# Altium PCB TinyHawk_PCB.PcbDoc (part 1 of 6) (continued)
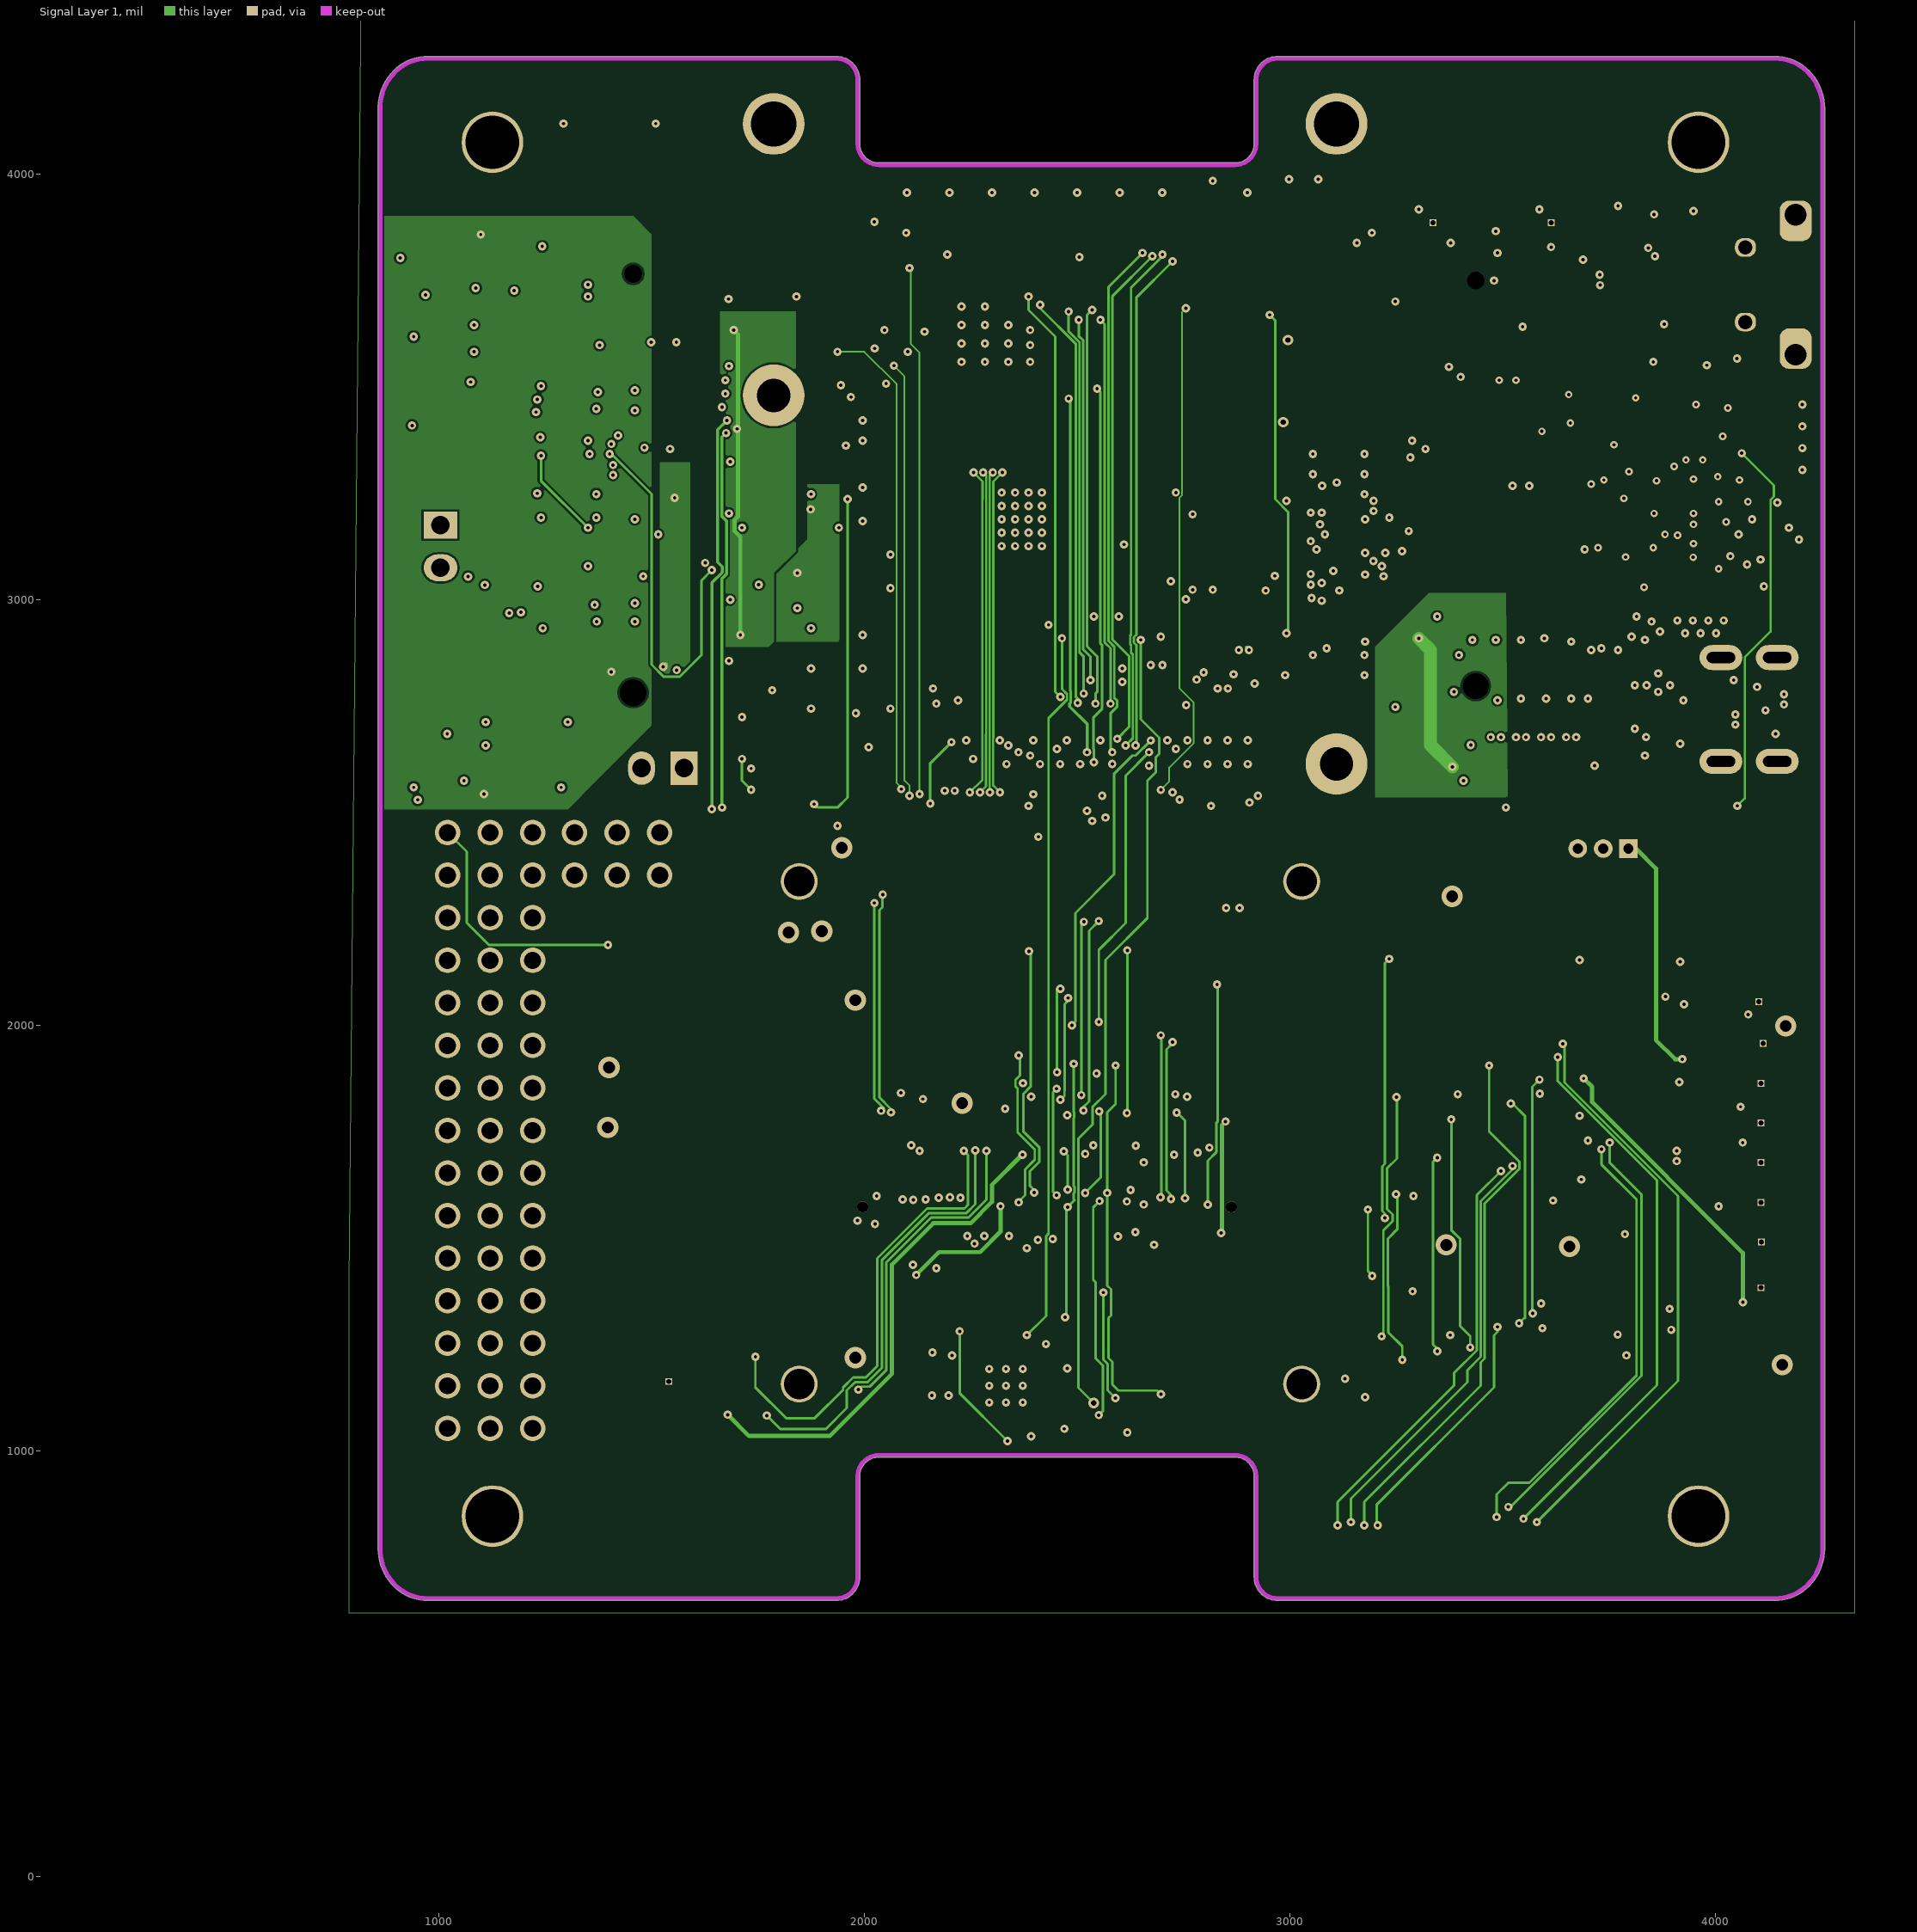
[diagram p4: Signal Layer 1]
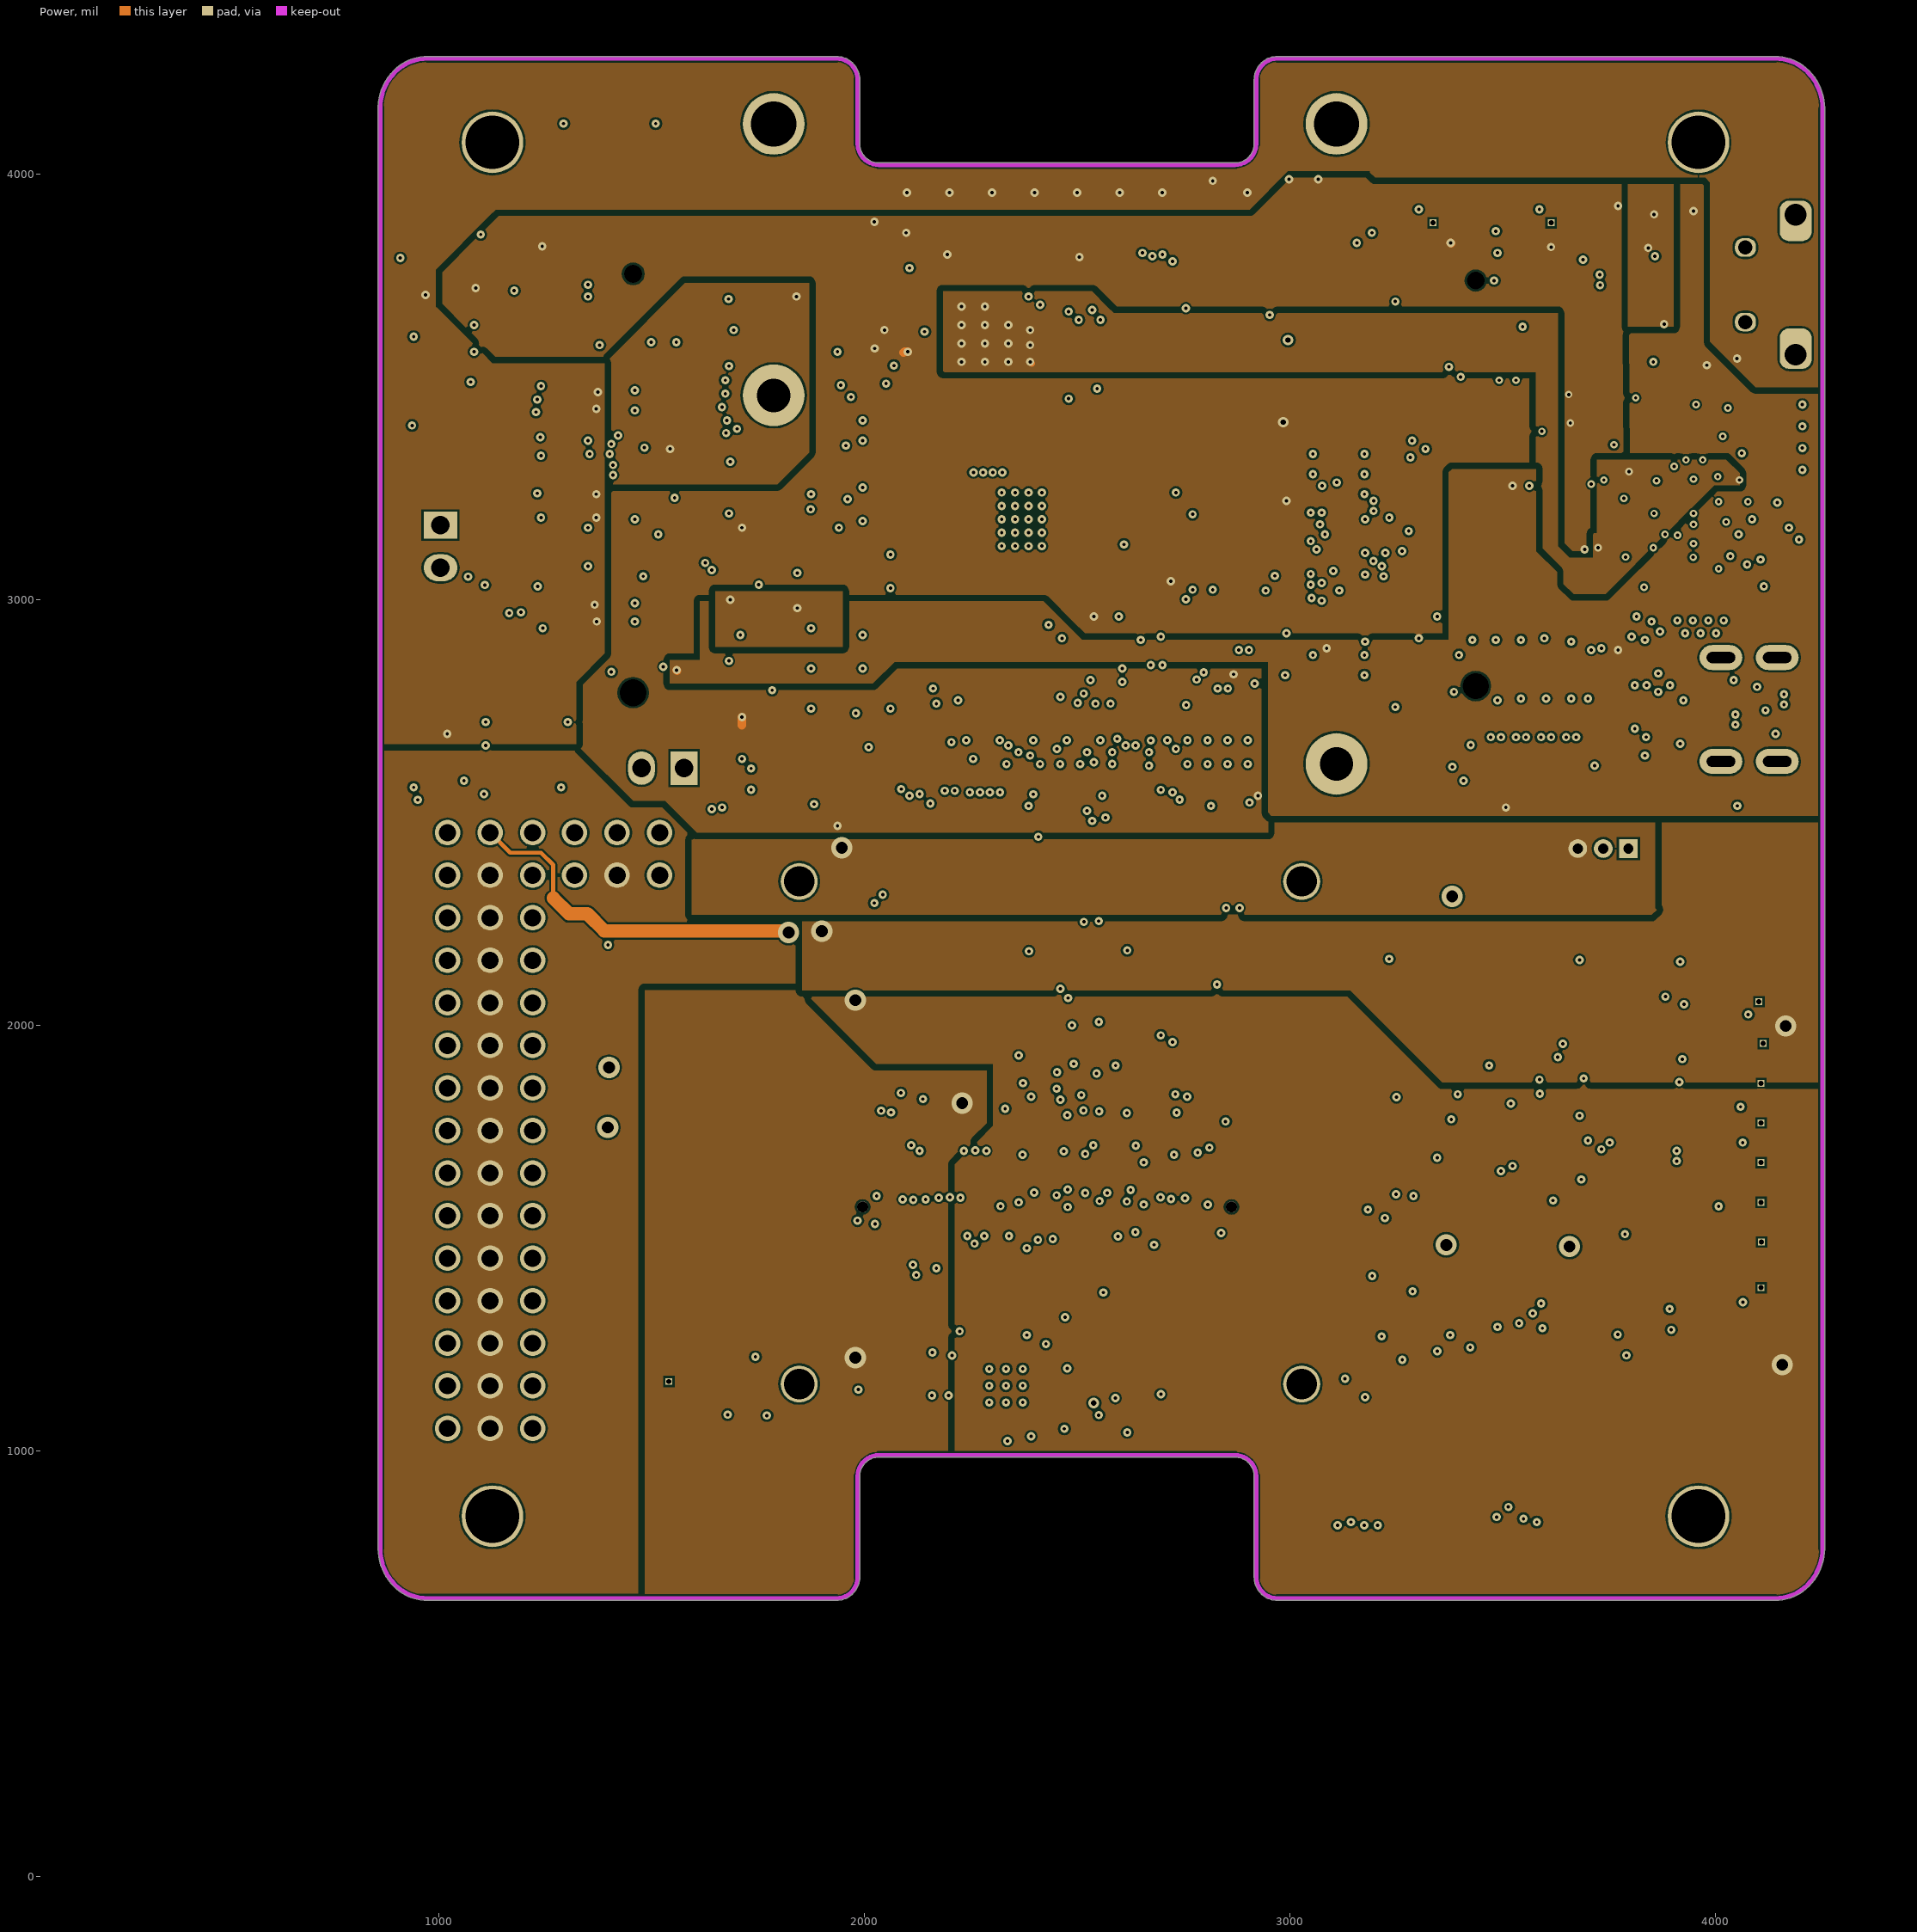
[diagram p5: Power]

## Layer stack, top to bottom
Top Solder: solder mask 0.4, Solder Resist, Dk 3.5
Top Layer: signal copper 1.4
Dielectric 1: core 19.685, FR-4, Dk 4.8
Ground: plane copper 1.417, net GND
Dielectric 7: prepreg 5, Dk 4.2
Signal Layer 2: signal copper 1.417
Dielectric 6: core 10, Dk 4.2
Signal Layer 1: signal copper 1.417
Dielectric 4: prepreg 5, Dk 4.2
Power: signal copper 1.417
Dielectric 8: core 10, Dk 4.2
Bottom Layer: signal copper 1.4
Bottom Solder: solder mask 0.4, Solder Resist, Dk 3.5

## Board outline
894.01,681.57 ccw(c973.79,761.34) 973.79,648.53 1934.25,648.53 ccw(c1934.25,703.54) 1989.27,703.54 1989.27,940.16 cw(c2034.25,940.16) 2034.25,985.14 2871.26,985.14 cw(c2871.26,940.16) 2916.24,940.16 2916.24,703.54 ccw(c2971.26,703.54) 2971.26,648.53 4140.39,648.53 ccw(c4140.39,761.34) 4220.16,681.57 ccw(c4131.26,770.47) 4256.98,770.47 4256.98,4153.54 ccw(c4251.97,4153.54) 4256.95,4154.13 ccw(c4251.97,4154.72) 4256.98,4154.72 ccw(c4131.26,4154.72) 4220.16,4243.63 ccw(c4140.39,4163.85) 4140.39,4276.67 2971.26,4276.67 ccw(c2971.26,4221.65) 2916.24,4221.65 2916.24,4071.65 cw(c2871.26,4071.65) 2871.26,4026.67 2034.25,4026.67 cw(c2034.25,4071.65) 1989.27,4071.65 1989.27,4221.65 ccw(c1934.25,4221.65) 1934.25,4276.67 973.79,4276.67 ccw(c973.79,4163.85) 894.01,4243.63 ccw(c982.92,4154.72) 857.24,4158.17 ccw(c862.2,4157.48) 857.19,4157.48 857.19,770.47 ccw(c982.92,770.47)

## Design rules (kind name [scope] priority, off if disabled: settings)
Clearance "Poly to Track Pad Via" [INPolygon vs IsTrack or IsPad or isvia] p1: gap=5
Clearance "Clearance Non Plated Holes" [InPadClass('NPTH')] p2: gap=19.68
Clearance "Pad Clearance" [IsPad vs IsPad] p3: gap=4
Clearance "CSI chip clearance" [WithinRoom('CSI') and OnLayer('Top Layer')] p4: gap=2.5
Clearance "+VIN-L6 to GND pads" [InNamedPolygon('+VIN-L6') vs ispad] p5: gap=15.75
Clearance "Inners tracks" [IsTrack and (Layer = 'Signal Layer 2') and not(InNetClass('DIFF100') or InNetClass('DIFF90')) vs IsTrack] p6: gap=9.8
Clearance "Poly PWR to Via" [IsRegion AND OnLayer('Power') vs IsVia] p7: gap=5.91
Clearance "Poly to Poly PWR" [IsRegion and OnLayer('Power') vs IsRegion and OnLayer('Power')] p8: gap=15.75
Clearance "Poly to Poly" [IsRegion and not OnLayer('Power') vs IsRegion and not OnLayer('Power')] p9: gap=6
Clearance [All] p10: gap=3
ComponentClearance "3D model Module" [InComponent('M1') vs InComponent('J1') or InComponent('J2') or InComponent('J3') or InComponent('SCR3') or InComponent('SCR4') or InComponent('SPA3') or InComponent('SPA4') or InComponent('NUT3') or InComponent('NUT4')] p1: gap=0 collisioncheckmode=3 verticalgap=0 showdistances=FALSE
ComponentClearance "MH5 to module mounting" [InComponent('MH5') vs InComponent('SCR3') or InComponent('SPA3')] p2: gap=0 collisioncheckmode=3 verticalgap=0 showdistances=FALSE
ComponentClearance "MH6 to module mounting" [InComponent('MH6') vs InComponent('SCR4') or InComponent('SPA4')] p3: gap=0 collisioncheckmode=3 verticalgap=0 showdistances=FALSE
ComponentClearance "SCR3 to module mounting" [InComponent('SCR3') vs InComponent('SPA3') or InComponent('NUT3')] p4: gap=0 collisioncheckmode=3 verticalgap=0 showdistances=FALSE
ComponentClearance "SCR4 to module mounting" [InComponent('SCR4') vs InComponent('SPA4') or InComponent('NUT4')] p5: gap=0 collisioncheckmode=3 verticalgap=0 showdistances=FALSE
ComponentClearance "PCIe card module to mounting" [InComponent('CR1') vs InComponent('J13') or InComponent('J20')] p6: gap=0 collisioncheckmode=3 verticalgap=0 showdistances=FALSE
ComponentClearance "SD Card model to SD slot" [InComponent('CR2') vs InComponent('J15')] p7: gap=0 collisioncheckmode=3 verticalgap=0 showdistances=FALSE
ComponentClearance "FID1 to J7" [InComponent('FID1') vs InComponent('J7')] p8: gap=0 collisioncheckmode=3 verticalgap=0 showdistances=FALSE
ComponentClearance "FID3 to J17" [InComponent('FID3') vs InComponent('J17')] p9: gap=0 collisioncheckmode=3 verticalgap=0 showdistances=FALSE
ComponentClearance "USB OTG power selection" [InComponent('FB12') vs InComponent('FB6')] p10: gap=0 collisioncheckmode=3 verticalgap=0 showdistances=FALSE
ComponentClearance "PIXCLOCK series resistors" [InComponent('R42') vs InComponent('R35') or InComponent('R43')] p11: gap=0 collisioncheckmode=3 verticalgap=0 showdistances=FALSE
ComponentClearance [All] p12: gap=1 collisioncheckmode=3 verticalgap=1 showdistances=TRUE
DiffPairsRouting DiffPair_DIFF100DiffPairsRouting [InDifferentialPairClass('DIFF100')] p1: maxlimit=11.81 minlimit=10 mostfreqgap=11.81 toplayer_mingap=10.51 toplayer_maxgap=10.51 toplayer_prefgap=10.51 toplayer_minwidth=3.94 toplayer_maxwidth=5.4 toplayer_prefwidth=5.4 midlayer1_mingap=11.09 midlayer1_maxgap=11.09 midlayer1_prefgap=11.09 midlayer1_minwidth=6 midlayer1_maxwidth=6 midlayer1_prefwidth=6 midlayer2_maxgap=10 midlayer2_prefgap=10 midlayer2_minwidth=10 midlayer2_maxwidth=10 midlayer2_prefwidth=10 midlayer3_mingap=11.81 midlayer3_minwidth=15 midlayer3_maxwidth=15 midlayer3_prefwidth=15 bottomlayer_mingap=10.51 bottomlayer_maxgap=10.51 bottomlayer_prefgap=10.51 bottomlayer_minwidth=5.4 bottomlayer_maxwidth=5.4 bottomlayer_prefwidth=5.4 maxuncoupledlength=640
DiffPairsRouting DiffPair_DIFF90DiffPairsRouting [InDifferentialPairClass('DIFF90')] p2: maxlimit=10 minlimit=6.69 mostfreqgap=6.99 toplayer_mingap=6.99 toplayer_maxgap=6.99 toplayer_minwidth=6 toplayer_maxwidth=6 toplayer_prefwidth=6 midlayer1_mingap=7.6 midlayer1_maxgap=7.6 midlayer1_prefgap=7.6 midlayer1_minwidth=6.7 midlayer1_maxwidth=6.7 midlayer1_prefwidth=6.7 midlayer2_mingap=10 midlayer2_prefgap=10 midlayer2_minwidth=10 midlayer2_maxwidth=10 midlayer2_prefwidth=10 midlayer3_maxgap=6.69 midlayer3_prefgap=6.69 midlayer3_minwidth=15 midlayer3_maxwidth=15 midlayer3_prefwidth=15 bottomlayer_mingap=6.99 bottomlayer_maxgap=6.99 bottomlayer_minwidth=6 bottomlayer_maxwidth=6 bottomlayer_prefwidth=6 maxuncoupledlength=450
Height [All] p1: minheight=-314.96 maxheight=1000 prefheight=500
HoleSize [All] p1: absolutevalues=TRUE maxlimit=393.7 minlimit=7.87 maxpercent=80.000 minpercent=20.000
HoleToHoleClearance [All] p1: gap=11.81 allowstackedmicrovias=TRUE
MatchedLengths DiffPair_DIFF100MatchedLengths [InDifferentialPairClass('DIFF100')] p1: tolerance=5 checknetsindiffpair=TRUE checkdiffpairvsdiffpair=FALSE checkxsignals=FALSE checkothers=FALSE
MatchedLengths DiffPair_DIFF90MatchedLengths [InDifferentialPairClass('DIFF90')] p2: tolerance=5 checknetsindiffpair=TRUE checkdiffpairvsdiffpair=FALSE checkxsignals=FALSE checkothers=FALSE
MinimumSolderMaskSliver [All] p1 off: minsoldermaskwidth=2
PlaneClearance [All] p1: clearance=11.81
PlaneConnect "GND to J7" [Incomponent('J7')] p1: planeconnectstyle=Relief reliefexpansion=19.68 reliefentries=4 reliefconductorwidth=86.61 reliefairgap=11.81
PlaneConnect "GND to J7_1" [Incomponent('J8')] p2: planeconnectstyle=Relief reliefexpansion=19.68 reliefentries=4 reliefconductorwidth=47.24 reliefairgap=11.81
PlaneConnect "GND to MH" [Incomponent('MH1') or Incomponent('MH2') or Incomponent('MH3') or Incomponent('MH4') or Incomponent('MH5') or Incomponent('MH6') or Incomponent('MH9') or Incomponent('MH10') or Incomponent('MH11') or Incomponent('MH12')] p3: planeconnectstyle=Direct reliefexpansion=20 reliefentries=4 reliefconductorwidth=10 reliefairgap=10
PlaneConnect "GND to PAD" [(InNet('GND') and IsPad)] p4: planeconnectstyle=Relief reliefexpansion=11.81 reliefentries=4 reliefconductorwidth=19.68 reliefairgap=7.87
PlaneConnect [All] p5: planeconnectstyle=Direct reliefexpansion=7.87 reliefentries=4 reliefconductorwidth=11.81 reliefairgap=7.87
PolygonConnect [InNet('GND') vs not IsVia] p1: connectstyle=Relief reliefconductorwidth=6 reliefentries=4 polygonreliefangle="90 Angle" airgapwidth=6
PolygonConnect PolygonConnect_1 [All] p2: connectstyle=Direct reliefconductorwidth=10 reliefentries=4 polygonreliefangle="90 Angle" airgapwidth=10
RoomDefinition CSI [InComponentClass('CSI')] p1: confinementstyle=ConfineIn formatcopy=TRUE lockcomponents=FALSE outline 3777.56,3285.43 4057.09,3285.43 4057.09,3013.78 3777.56,3013.78
RoutingVias [All] p1: holewidth=7.87 width=17.72 viastyle="Through Hole" minholewidth=7.87 minwidth=17.72 maxholewidth=30 maxwidth=50
SilkToBoardRegionClearance [All] p1 off:
SilkToSilkClearance [All] p1 off: silktosilkclearance=3.94
SilkToSolderMaskClearance SilkscreenOverComponentPads [IsPad] p1 off: minsilkscreentomaskgap=3.94 clearancetoexposedcopper=TRUE
SolderMaskExpansion [All] p1: expansion=4
Width DiffPair_DIFF100Width [InDifferentialPairClass('DIFF100')] p1: maxlimit=10 minlimit=3.94 preferedwidth=10 toplayer_maxwidth=5.4 toplayer_prefwidth=5.4 midlayer1_minwidth=6 midlayer1_maxwidth=6 midlayer1_prefwidth=6 midlayer2_minwidth=10 midlayer3_minwidth=7.87 midlayer3_maxwidth=7.87 midlayer3_prefwidth=7.87 bottomlayer_minwidth=5.4 bottomlayer_maxwidth=5.4 bottomlayer_prefwidth=5.4 minimp=50.000000 maximp=50.000000 favimp=50.000000
Width DiffPair_DIFF90Width [InDifferentialPairClass('DIFF90')] p2: maxlimit=10 minlimit=6 preferedwidth=10 toplayer_maxwidth=6 toplayer_prefwidth=6 midlayer1_minwidth=6.7 midlayer1_maxwidth=6.7 midlayer1_prefwidth=6.7 midlayer2_minwidth=10 midlayer3_minwidth=7.87 midlayer3_maxwidth=7.87 midlayer3_prefwidth=7.87 bottomlayer_maxwidth=6 bottomlayer_prefwidth=6 minimp=50.000000 maximp=50.000000 favimp=50.000000
Width "Width Power" [InNet('+VIN') OR InNet('+5V') OR InNet('+3V3') OR InNet('+1V5') OR InNet('+1V8') OR InNet('+2V5')] p3: maxlimit=157.48 minlimit=7.09 preferedwidth=15.75
Width "Width Ground" [InNet('GND')] p4: maxlimit=1574.8 minlimit=7.09 preferedwidth=15.75
Width [All] p5: maxlimit=78.74 minlimit=3.9 preferedwidth=6.3 midlayer1_minwidth=4 midlayer1_prefwidth=8.27 midlayer2_minwidth=4 midlayer2_prefwidth=9.84 midlayer3_minwidth=4 midlayer3_prefwidth=5.91 bottomlayer_minwidth=4 minimp=50.000000 maximp=50.000000 favimp=50.000000
19 further rules are at their usual default settings.

## Classes and differential pairs
component class "[19] - FTDI": C604 C605 L601 LED600 LED601 R607 R608 U603 USB1 USB2 USB600
component class "[22] - PIXHAWK CONNECTOR": FIDUCIALS1 P500 R501 R502
component class "[21] - TEST POINTS": ADC_PR D_RDY1 JP400 JP401 M3_MOUNT901 M3_MOUNT902 M3_MOUNT903 M3_MOUNT904 S1RX S1TX S2RX S2TX S3RX S3TX S4RX S4TX S5_RX S5_TX SPI!CS1 SPI_MISO1 SPI_MOSI1 SPI_SCK1
component class "[20] - SERVO": D300 D301 L300 P301 P304
component class "[18] - POWER": P200 P201 P202 PSM200
component class "[17] - PLUGS": 3 D100 D101 D102 D103 D104 D105 D106 D107 D108 JP100 L100 L101 L102 L103 L104 L105 L106 L107 P100 P101 P102 P103 P104 P105 P106 P107 P108 P109 SPKT100
component class "[03] - CONNECTORS": C1 C2 C3 C4 C5 C6 C7 C12 C13 C14 C15 C16 C231 C232 J1 J2 J3 R35 R42 R43 TP7 TP8 TP11 TP14
component class "[04] - VIDEO INPUT": C41 C42 C43 C44 C45 C46 C47 C48 C49 C50 C51 C52 C53 C54 C55 C56 C57 C58 C59 C177 C183 C184 C185 C187 C188 C190 FB3 FB4 FB5 FB8 FB11 R1 R2 R3 R4 R5 R6 R7 R8 R9 R66 R72 R81 R82 R83 R104 R105 R109 R165 R166 R167 R168 R169 R174 TP2 TP3 TP4 TP5 TP6 U1 U2 Y1
component class "[05] - HDMI INPUT": C8 C71 C72 C73 C74 D2 D6 D7 D16 J11 R11 R12 R13 R38 R39 R40 R48 R49 R50 R51 R162 R163 R164 U4
component class "[07] - PCIE MINI": C18 C19 C20 C21 C60 C69 C257 C258 C259 C260 C261 C262 C263 C264 C265 C266 C267 C268 CR1 FB7 FB9 FB10 J13 J20 L6 R10 R18 R20 R22 R37 R153 TP1 U6
component class "[09] - USB": C26 C106 C230 D9 D19 D27 FB6 FB12 FB24 J14 L8 Q1 Q2 R45 R63 R65 R67 R155 R214 R247 R304 U16
component class "[11] - SD CARD, BUFFERS": C158 C171 C176 CR2 FIRMWARE_FOR_CARD_IN_J15 J15 Q3 R64 R117 R139 R201 U20 U21
component class "[12] - UARTS": D4 D8 L4 L7 P1 P2 Q6 Q8 R54 R55 R58 R59 R70
component class "[13] - HEADERS, SPI": C203 JP1 LINK1 R204 R206 U8
component class "[14] - PWR 5V, 3V3, 2V5": C11 C17 C29 C30 C33 C37 C38 C39 C40 C61 C62 C63 C64 C65 C66 C67 C68 C70 C89 C90 C91 C92 L1 L2 R24 R25 R26 R27 R28 R29 R30 R31 R211 R213 R216 R217 R220 R224 R225 R226 TP12 TP13 TP15 U9 U10 U11
component class "[15] - PWR IN, LEDS, BUTTONS, MECH": C10 C79 C198 C200 C381 D1 D5 D14 FID1 FID2 FID3 FID4 FID5 FID7 FID8 J8 M1 MH1 MH2 MH3 MH4 MH5 MH6 MH11 MH12 NUT3 NUT4 PCB1 Q4 Q5 Q7 Q10 R100 R140 R141 R144 R145 R146 R147 R148 R149 R292 R293 R296 R301 S600 S601 SCR3 SCR4 SPA3 SPA4 TP9 TP10 U27
net class AUD4: AUD4_CLK_R AUD4_RXD_R AUD4_TXC_R AUD4_TXFS_R
net class DIFF90: PCIE_RX_N PCIE_RX_P PCIE_TX_N PCIE_TX_P USB0_N USB0_P USB1_N USB1_P USB_MPCIE_CON_N USB_MPCIE_CON_P USB_OTG_CON_N USB_OTG_CON_P
net class DIFF100: HDMI_IN_CLK_N HDMI_IN_CLK_P HDMI_IN_D0_N HDMI_IN_D0_P HDMI_IN_D1_N HDMI_IN_D1_P HDMI_IN_D2_N HDMI_IN_D2_P PCIE_CLK_N PCIE_CLK_P
net class FLEXCAN1: FLEXCAN1_RX FLEXCAN1_TX
net class GPIO_HDR: CPU_GPIO2 CPU_GPIO3 CPU_GPIO4 CPU_GPIO5 CPU_GPIO6 CPU_GPIO7 GPIO_OR_PWM_3 GPIO_OR_PWM_4
net class GPIO_OR_PWM: GPIO_OR_PWM_1 GPIO_OR_PWM_2
net class GPIO: CPU_GPIO0 CPU_GPIO0_R CPU_GPIO1
net class HDMI_IN: HDMI_IN_CEC_CON HDMI_IN_CEC_IN HDMI_IN_CLK_N HDMI_IN_CLK_P HDMI_IN_D0_N HDMI_IN_D0_P HDMI_IN_D1_N HDMI_IN_D1_P HDMI_IN_D2_N HDMI_IN_D2_P HDMI_IN_HPD HDMI_IN_HPD_CON HDMI_IN_SCL_CON HDMI_IN_SCL_CON_R HDMI_IN_SDA_CON HDMI_IN_SDA_CON_R I2C2_DDC_SCL I2C2_DDC_SDA
net class I2C1: I2C1_SCL I2C1_SDA
net class I2C2: I2C2_SCL I2C2_SDA
net class I2C3: I2C3_SCL I2C3_SDA
net class MIPI_CSI: CSI1_PIXCLK
net class PCIE: PCIE_CLK_N PCIE_CLK_P PCIE_RX_N PCIE_RX_P PCIE_TX_N PCIE_TX_P PCIE_WAKE
net class SPI1: CSPI1_CLK CSPI1_CS0 CSPI1_MISO CSPI1_MOSI
net class SPI2: CSPI2_CLK CSPI2_CS0 CSPI2_CS1 CSPI2_MISO CSPI2_MOSI
net class UART1: UART1_RXD_FTDI UART1_TXD_FTDI
net class UART2: UART2_RXD UART2_TXD
net class UART4: GND NetL4_P$2 UART4_RXD UART4_TXD
net class UART5: GND UART5_RXD UART5_TXD
net class USB0: USB0_ID USB0_N USB0_P USB_OTG_CON_N USB_OTG_CON_P
net class USB1: USB1_N USB1_P USB_MPCIE_CON_N USB_MPCIE_CON_P
net class uSD: SD3_CD SD3_CLK SD3_CMD SD3_DATA0 SD3_DATA1 SD3_DATA2 SD3_DATA3 SD3_WP
net class VID_IN_CSI0: HDMI_HPA_A VID_IN_CSI0_D0 VID_IN_CSI0_D1 VID_IN_CSI0_D2 VID_IN_CSI0_D3 VID_IN_CSI0_D4 VID_IN_CSI0_D5 VID_IN_CSI0_D6 VID_IN_CSI0_D7 VID_IN_CSI0_D8 VID_IN_CSI0_D9 VID_IN_CSI0_D10 VID_IN_CSI0_D11 VID_IN_CSI0_D12 VID_IN_CSI0_D13 VID_IN_CSI0_D14 VID_IN_CSI0_D15 VID_IN_CSI0_D16 VID_IN_CSI0_D17 VID_IN_CSI0_D18 VID_IN_CSI0_D19 VID_IN_CSI0_DE VID_IN_CSI0_HS VID_IN_CSI0_INT VID_IN_CSI0_INT_R VID_IN_CSI0_PIXCLK VID_IN_CSI0_PIXCLK_R VID_IN_CSI0_RSTN VID_IN_CSI0_VS
component class "[16] - CAN BUS": C3004 R3010 U3004
differential pair HDMI_IN_CLK: +HDMI_IN_CLK_P -HDMI_IN_CLK_N
differential pair HDMI_IN_D0: +HDMI_IN_D0_P -HDMI_IN_D0_N
differential pair HDMI_IN_D1: +HDMI_IN_D1_P -HDMI_IN_D1_N
differential pair HDMI_IN_D2: +HDMI_IN_D2_P -HDMI_IN_D2_N
differential pair PCIE_CLK: +PCIE_CLK_P -PCIE_CLK_N
differential pair PCIE_RX: +PCIE_RX_P -PCIE_RX_N
differential pair PCIE_TX: +PCIE_TX_P -PCIE_TX_N
differential pair USB1: +USB1_P -USB1_N
differential pair USB_MPCIE_CON: +USB_MPCIE_CON_P -USB_MPCIE_CON_N
differential pair USB0: +USB0_P -USB0_N
differential pair USB_OTG_CON: +USB_OTG_CON_P -USB_OTG_CON_N

## Components (designator, comment, footprint, x,y, rotation, side; value= is the part's Value field where it differs from the comment)